# Altium PCB Fast_Servo.PCBDOC (part 5 of 7)
Units mm, origin at the board's own origin, x right, y up, seen from the top; angles counter-clockwise.
Board outline 162.48 x 100 mm, 4 copper layers (Top, GP1(GND), L3, Bot), stack 1.648 mm thick; 621 components, 389 nets, 1909 pads, 971 vias.
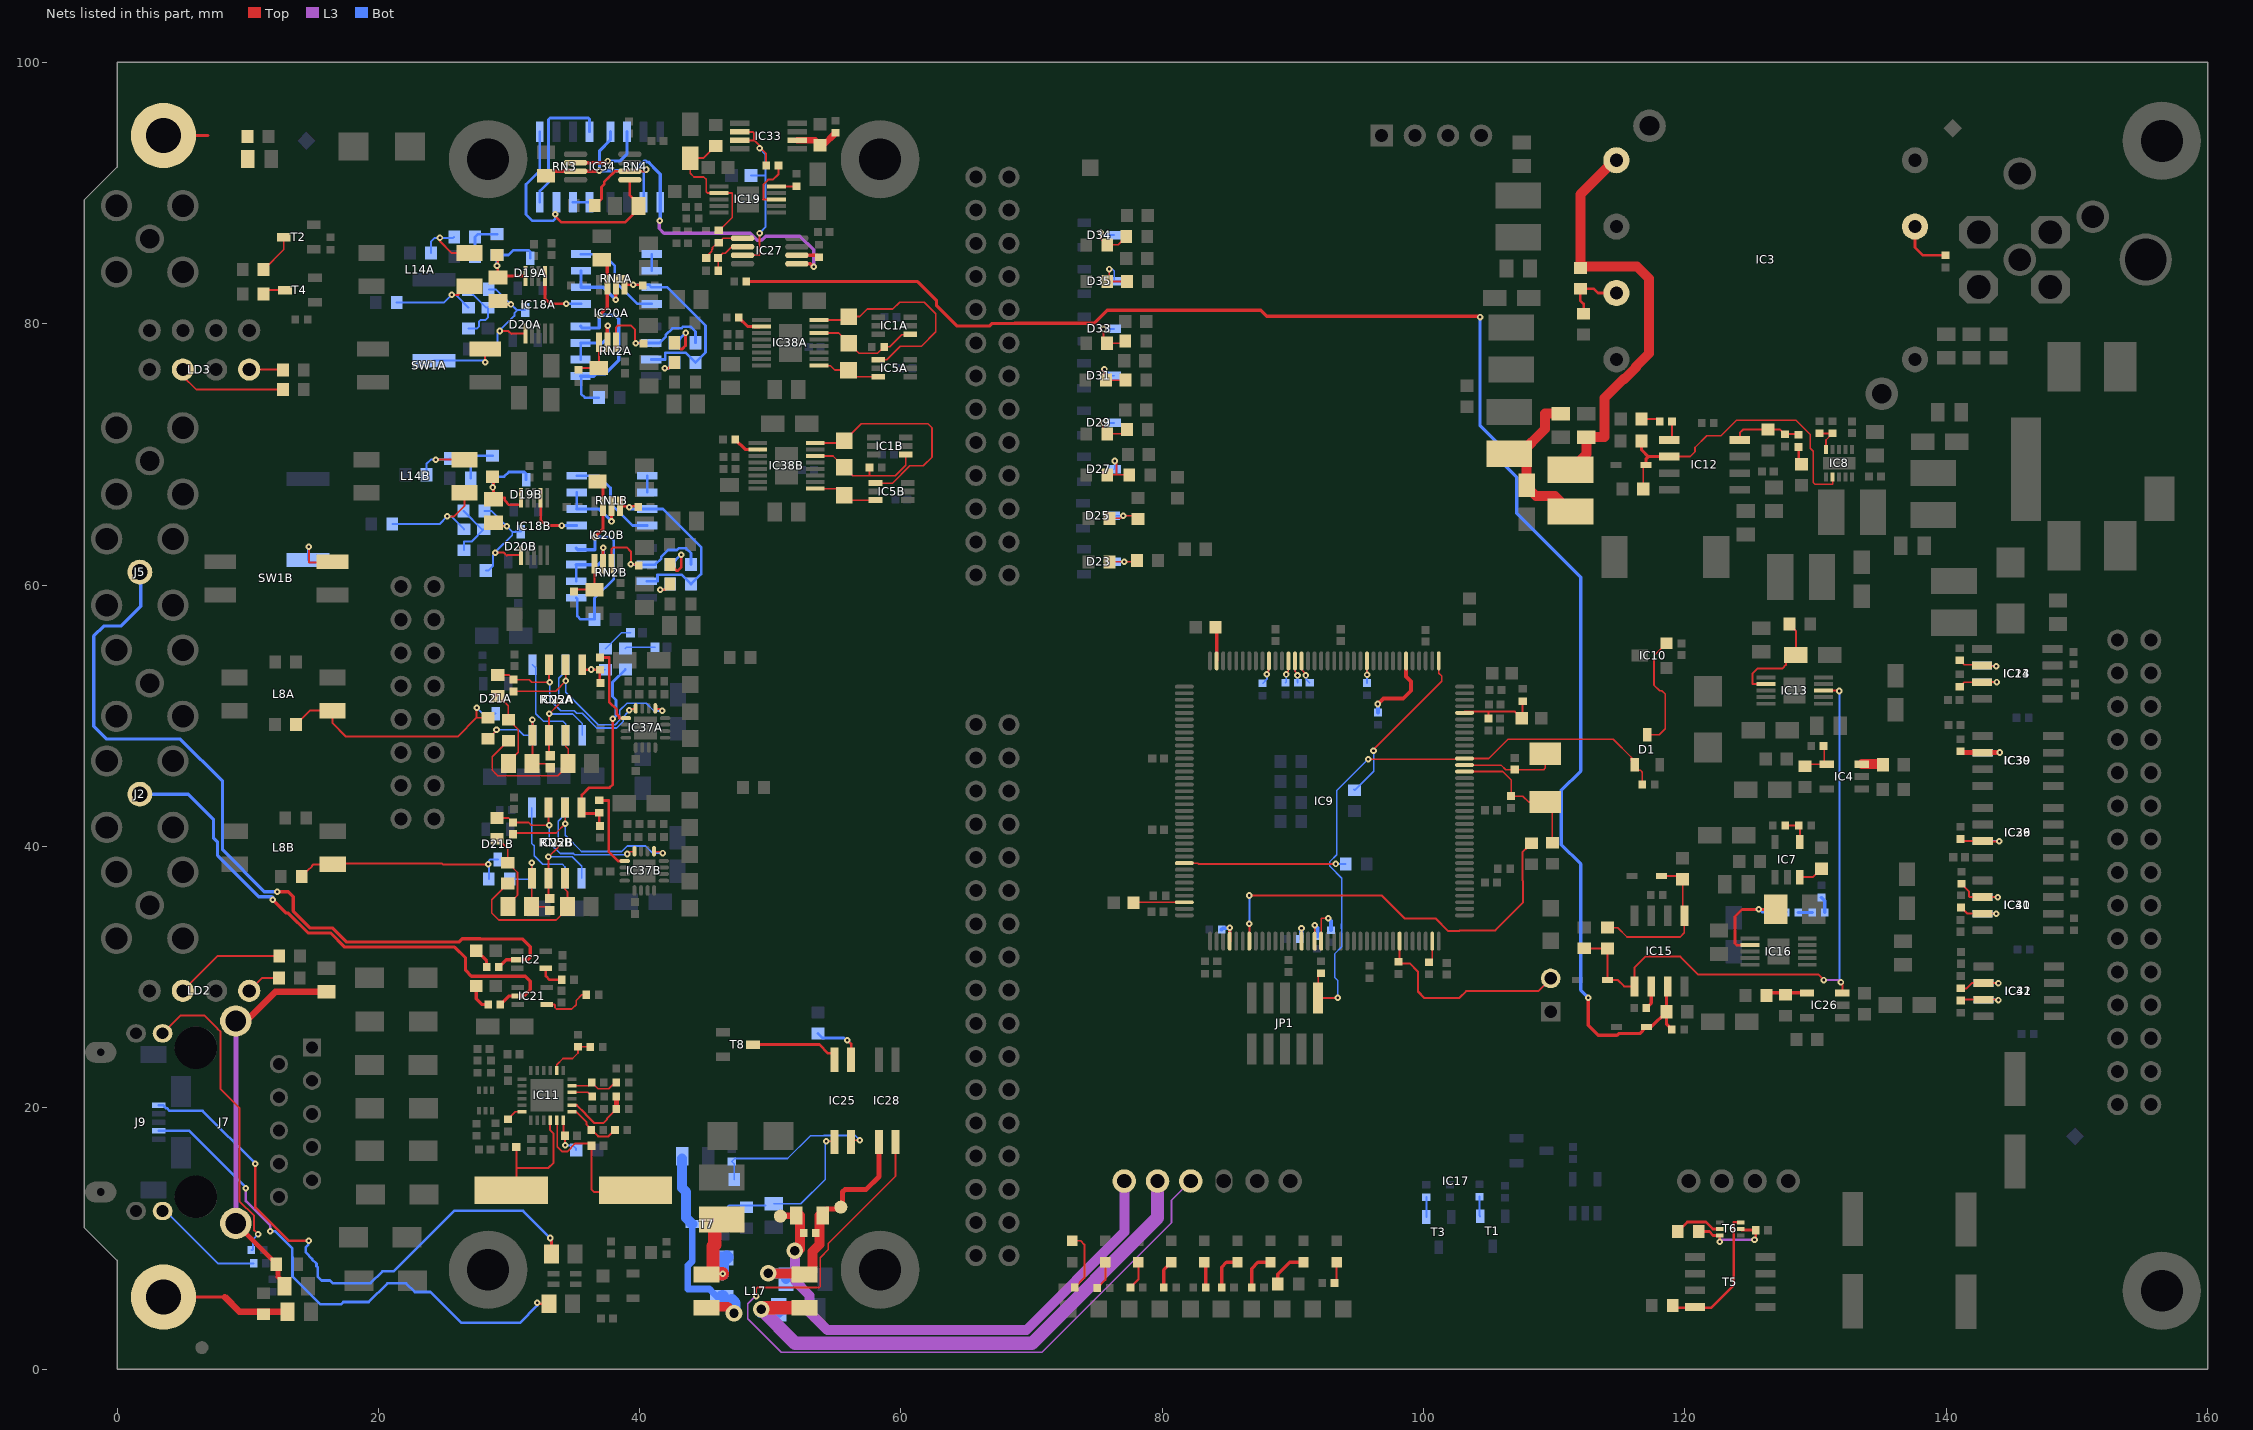
[diagram p7: the nets of this part, all layers, seen from the top]

## Via types
v1: diameter 0.5, hole 0.2, Top to Bot, tented both sides, 767 vias
v2: diameter 0.7, hole 0.5, Top to Bot, tented both sides, 74 vias
v3: diameter 0.6, hole 0.3, Top to Bot, tented both sides, 42 vias
v4: diameter 0.5, hole 0.2, Top to Bot, 40 vias
v5: diameter 1.27, hole 0.711, Top to Bot, tented both sides, 37 vias
v6: diameter 0.5, hole 0.2, Top to Bot, tented bottom, 5 vias
v7: diameter 0.66, hole 0.33, Top to Bot, tented both sides, 5 vias
v8: diameter 1, hole 0.6, Top to Bot, tented both sides, 1 vias

## Nets (pads, with @x,y where several pads share a name; then routed paths per layer and width w, separated by ;. In a path a pad name is that pad's centre, name@x,y a point inside that pad or via, vN(x,y) a via of type N, cw(c..) or ccw(c..) an arc to the next point about the centre after c; other vN are vias at no path point) (continued)
N13V0FIL: C18.2 C42.2 L12.2 L13.1 | length 13.2
  Top w0.762: L13.1@106.553,70.058 L13.1@107.399,70.058 ; L12.2@110.5,65.626 L12.2@110.5,66.052 ; C42.2@110.5,73.126 109.292,73.126 109.292,71.95 L13.1@107.399,70.058 ; L12.2@111.25,65.626 110.049,66.827 108.61,66.827 107.885,67.553 C18.2@107.885,67.643 107.885,69.572 L13.1@107.399,70.058
N13V0S: C40.2 IC3.4 L12.1 R19.1 | length 32.9
  Top w0.762: L12.1@111.25,68.826 112.454,70.03 C40.2@112.454,71.326 113.843,71.326 113.843,74.32 115.291,75.768 115.375,75.768 116.258,76.651 116.258,76.735 117.25,77.727 117.25,83.476 116.34,84.386 112,84.386 112,89.916 IC3.4@114.68,92.596
NetB3_1: B3.1 C33.2 IC28.1 L17.4 R124.1 R127.1 | length 18.5
  Top w0.381: R124.1@54.001,11.76 54.001,11.985 54.285,12.27 55.272,12.27 55.524,12.522 55.524,13.551 55.733,13.76 57.339,13.76 58.312,14.733 IC28.1@58.312,17.374
  Top w0.762: v5@49.682,7.305 52.56,7.305 L17.4@52.62,7.244 53.02,7.244 53.239,7.463 53.239,8.992 53.772,9.525 R124.1@53.772,11.76
  Bot w0.762: v5@50.153,7.312 50.999,7.312 51.193,7.118 C33.2@51.193,6.891
  other v5: 49.835,7.332
NetB4_1: B4.1 IC17.1 R124.2 R127.2 | length 40.9
  Top w0.508: B4.1@50.775,11.709 50.8,11.735 51.975,11.735 R124.2@52.001,11.76
  Top w0.762: v5@52.057,8.986 52.255,9.185 R124.2@52.255,11.76
  L3 w0.762: v5(51.873,9.068) 51.873,6.775 53.008,5.639 53.008,4.348 54.359,2.997 69.607,2.997 77.094,10.484 IC17.1@77.094,14.391
NetC1A_1: C1A.1 IC22A.2 RN5A.3 RN5A.5 | length 11.3
  Top w0.127: C1A.1@33.152,46.94 33.067,47.025 v1(33.067,50.141) 33.812,50.887 v1(33.812,51.165)
  Bot w0.127: v1(33.067,50.141) 34.877,50.141 35.607,49.412 RN5A.5@35.607,48.51 ; v1(33.812,51.165) 33.812,52.87 34.337,53.395 RN5A.3@34.337,53.91
NetC1A_2: C1A.2 C120A.2 IC22A.1 R2A.1 RN5A.8 | length 10
  Top w0.127: R2A.1@28.392,48.25 29.045,48.903 v1(29.045,48.938) ; v1(31.797,49.695) 31.797,46.38 C120A.2@31.752,46.335 32.857,46.335 C1A.2@33.152,46.04
  Bot w0.127: v1(29.045,48.938) 30.702,48.938 31.13,48.51 RN5A.8@31.797,48.51 v1(31.797,49.695)
NetC1B_1: C1B.1 IC22B.2 RN5B.3 RN5B.5 | length 11.3
  Top w0.127: C1B.1@33.107,36.002 33.022,36.087 IC22B.2@33.022,37.572 v1(33.022,39.204) 33.767,39.949 v1(33.767,40.227)
  Bot w0.127: v1(33.022,39.204) 34.832,39.204 35.562,38.474 RN5B.5@35.562,37.572 ; v1(33.767,40.227) 33.767,41.932 34.292,42.457 RN5B.3@34.292,42.972
NetC1B_2: C1B.2 C120B.2 IC22B.1 R2B.1 RN5B.8 | length 7.8
  Top w0.127: v1(31.752,38.757) IC22B.1@31.752,37.572 31.752,35.442 C120B.2@31.707,35.397 32.812,35.397 C1B.2@33.107,35.102
  Bot w0.127: R2B.1@30.057,37.5 31.68,37.5 RN5B.8@31.752,37.572 v1(31.752,38.757)
NetC2A_1: C2A.1 IC22A.6 IC37A.13 | length 16.8
  Top w0.127: C2A.1@30.353,51.87 30.368,51.885 33.57,51.885 v1(34.35,52.665) 34.35,53.897 IC22A.6@34.337,53.91 ; IC37A.13@41.198,50.52 41.602,50.52 41.723,50.399 v1(41.723,50.371)
  Bot w0.127: v1(34.35,52.665) 34.35,51.803 36.833,49.321 38.132,49.321 38.483,49.671 38.483,50.428 39.025,50.97 40.494,50.97 41.093,50.371 v1(41.723,50.371)
NetC2A_2: C2A.2 IC22A.7 IC37A.16 R9A.1 | length 15.2
  Top w0.127: R9A.1@29.142,53.12 30.003,53.12 C2A.2@30.353,52.77 31.545,52.77 31.745,52.57 v1(33.122,52.57) ; v1@33.067,52.625 IC22A.7@33.067,53.91 ; v1(39.2,50.42) 39.3,50.52 IC37A.16@39.698,50.52
  Bot w0.127: v1(33.122,52.57) 33.122,51.232 33.958,50.395 34.982,50.395 35.183,50.195 35.599,50.195 36.728,49.067 38.238,49.067 38.737,49.566 38.737,49.912 39.128,50.303 39.098,50.334 39.184,50.42 v1(39.2,50.42)
NetC2B_1: C2B.1 IC22B.6 IC37B.13 | length 15.6
  Top w0.127: C2B.1@30.308,40.932 30.402,41.026 33.604,41.026 v1(34.305,41.727) 34.305,42.959 IC22B.6@34.292,42.972 ; IC37B.13@41.153,39.582 41.557,39.582 41.678,39.461 41.758,39.541 v1(41.758,39.497)
  Bot w0.127: v1(34.305,41.727) 34.305,40.866 35.551,39.619 38.641,39.619 39.053,40.032 40.449,40.032 41.048,39.433 41.112,39.497 v1(41.758,39.497)
NetC2B_2: C2B.2 IC22B.7 IC37B.16 R9B.1 | length 13.9
  Top w0.127: R9B.1@29.097,42.182 29.958,42.182 C2B.2@30.308,41.832 31.5,41.832 31.7,41.632 v1(33.077,41.632) ; v1@33.022,41.687 IC22B.7@33.022,42.972 ; v1(39.065,39.421) 39.226,39.582 IC37B.16@39.653,39.582
  Bot w0.127: v1(33.077,41.632) 33.077,40.294 33.914,39.458 34.938,39.458 35.03,39.365 39.084,39.365 39.065,39.384 v1(39.065,39.421)
NetC3A_1: C3A.1 IC22A.5 R153A.2 R172A.2 | length 3.8
  Top w0.203: IC22A.5@35.607,53.91 35.607,53.52 R153A.2@36.952,53.52 36.952,52.57 C3A.1@37.002,52.52
  Bot w0.127: v1(36.297,53.543) 36.309,53.531 R172A.2@37.38,53.531
NetC3B_1: C3B.1 IC22B.5 R153B.2 R172B.2 | length 15.9
  Top w0.203: C3B.1@36.957,41.582 36.907,41.632 R153B.2@36.907,42.582 36.849,42.524 35.591,42.524 35.562,42.552 IC22B.5@35.562,42.972 35.575,42.984 35.575,43.933 36.143,44.501 37.704,44.501 37.95,44.747 v1(37.95,49.761)
  Bot w0.203: v1(37.95,49.761) 38.191,50.002 38.191,51.211 37.927,51.475 37.927,52.567 R172B.2@38.908,53.548
NetC5_2: C5.2 R69.1 | length 1.6
  Top w0.254: C5.2@27.497,32.023 28.283,31.237 R69.1@28.283,30.76
NetC10_1: C10.1 R3.2 ST2.1 | length 3.4
  Top w0.203: ST2.1@3.556,94.412 6.963,94.412
NetC11_1: C11.1 R4.2 ST2.0 | length 10.1
  Top w0.203: ST2.0@3.556,5.512 8.255,5.512 8.438,5.512
  Top w0.508: 8.255,5.512 9.373,4.394 C11.1@13.045,4.394
NetC14_2: C14.2 C31.1 IC9.32 R95.2 | length 6.6
  Top w0.152: IC9.32@103.144,50.237 IC9.32@103.134,50.227 103.134,50.313 104.95,50.313 ; C31.1@104.959,49.8 104.959,50.304 104.95,50.313 ; R95.2@107.585,51.125 107.585,49.885 C14.2@107.5,49.8 106.987,50.313 104.95,50.313
NetC21_2: C21.2 IC9.23 Q1.2 R179.2 | length 11.2
  Top w0.127: IC9.23@103.134,45.727 103.138,45.731 106.059,45.731 106.699,45.091 C21.2@106.699,43.85 107.585,43.85 108.035,43.4 Q1.2@109.314,43.4 109.855,42.859 R179.2@109.855,40.284
NetC23_2: C23.2 IC9.24 Q1.1 | length 7.5
  Top w0.127: IC9.24@103.134,46.227 105.923,46.227 106.275,45.874 C23.2@106.974,45.874 109.19,45.874 109.314,45.999 Q1.1@109.314,47.1
NetC24_1: C24.1 IC9.106 | length 3.9
  Top w0.127: C24.1@77.798,35.684 77.841,35.726 IC9.106@81.684,35.727
NetC25_1: C25.1 IC9.71 | length 2.6
  Top w0.254: C25.1@84.071,56.784 84.159,56.696 IC9.71@84.159,54.202
NetC47_1: C47.1 IC7.3 | length 1.9
  Top w0.152: IC7.3@128.792,37.645 129.791,37.645 C47.1@130.442,38.296
NetC66_2: C66.2 D5.2 IC15.5 R52.1 | length 12.2
  Top w0.127: R52.1@114.075,33.789 114.851,33.789 115.569,33.072 119.635,33.072 119.959,33.396 IC15.5@119.959,34.689 119.825,34.823 C66.2@119.825,37.489 119.58,37.734 D5.2@118.22,37.734
NetC68_2: C68.2 D2.2 IC15.3 R22.2 R48.2 | length 127.9
  Top w0.254: R22.2@48.171,83.236 61.268,83.236 62.723,81.781 62.723,81.382 64.273,79.832 66.804,79.832 66.997,80.026 68.706,80.026 68.716,80.035 74.786,80.035 75.776,81.026 87.528,81.026 87.986,80.569 104.267,80.569 v1(104.318,80.518) ; v1(112.598,28.423) 112.598,26.324 113.37,25.552 114.801,25.552 114.929,25.68 116.542,25.68 D2.2@117.05,26.188 117.431,26.188 C68.2@118.59,27.348 ; IC15.3@118.689,29.289 118.59,29.19 C68.2@118.59,27.348 ; R48.2@119.005,25.982 118.59,26.397 C68.2@118.59,27.348
  Bot w0.254: v1(104.318,80.518) 104.318,72.205 105.86,70.663 105.86,69.501 107.117,68.243 107.117,65.503 112.014,60.606 112.014,45.771 110.541,44.298 110.541,40.132 112.014,38.659 112.014,29.007 v1(112.598,28.423)
NetC69_2: C69.2 D4.2 IC8.7 IC12.6 R56.1 | length 24.1
  Top w0.127: C69.2@116.821,67.353 116.821,69.009 D4.2@117.015,69.203 ; IC12.6@118.799,69.838 120.41,69.838 120.768,70.197 120.768,70.535 121.658,71.425 122.758,71.425 123.952,72.619 128.495,72.619 129.591,71.523 129.591,70.472 129.819,70.244 129.819,67.858 129.951,67.726 131.3,67.726 IC8.7@131.3,68.278
  Top w0.254: R56.1@116.675,71.043 116.675,70.372 117.209,69.838 ; D4.2@117.015,69.203 117.015,69.644 117.209,69.838 ; IC12.6@118.799,69.838 117.209,69.838
NetC75_2: C75.2 IC27.5 IC34.3 RN4.1 RN4.5 | length 33.3
  Top w0.254: C75.2@32.834,91.336 33.175,91.676 IC34.3@35.096,91.676 36.88,91.676 v1(36.921,91.717) ; IC27.5@51.318,84.509 51.408,84.6 IC27.5@52.03,84.6 52.037,84.593 53.048,84.593 53.262,84.379 v1(53.319,84.379)
  L3 w0.254: v1(41.529,87.884) 41.507,87.862 41.507,87.294 41.862,86.939 48.467,86.939 49,86.406 49.28,86.406 49.314,86.44 49.383,86.44 49.653,86.71 52.265,86.71 53.319,85.656 v1(53.319,84.379)
  Bot w0.254: RN4.5@37.766,94.701 37.766,94.067 36.921,93.222 v1(36.921,91.717) 39.61,91.717 40.344,92.452 40.479,92.452 40.546,92.385 40.641,92.385 40.91,92.116 41.144,91.882 41.144,91.879 41.576,91.447 RN4.1@41.576,89.301 41.576,87.998 41.529,87.951 v1(41.529,87.884)
NetC76_2: C76.2 IC34.5 RN3.3 RN3.5 | length 19.3
  Top w0.203: v1(33.528,88.392) 33.528,88.251 33.994,87.785 38.902,87.785 39.911,88.794 C76.2@39.911,89.015 39.911,89.171 39.246,89.836 IC34.5@39.246,91.026
  Bot w0.203: RN3.5@32.357,94.701 32.357,91.722 31.304,90.67 31.304,88.376 31.797,87.884 33.382,87.884 33.528,88.03 v1(33.528,88.392)
NetC82_2: C82.2 IC11.4 Q2.2 | length 9.9
  Top w0.152: C82.2@30.556,17 30.556,15.392 ; Q2.2@30.681,13.551 30.556,13.676 30.556,15.392 ; IC11.4@33.155,19.045 33.155,18.28 33.414,18.021 33.414,15.805 33.001,15.392 30.556,15.392
NetC83_2: C83.2 C87.2 IC11.6 | length 3.1
  Top w0.152: IC11.6@34.155,19.045 34.155,17.998 C83.2@34.297,17.856 v1(34.297,17.127)
  L3 w0.152: v1@34.265,17.094 v1(34.297,17.127)
  Bot w0.152: v1(34.297,17.127) 34.867,17.127 35.141,16.853 C87.2@35.141,16.764
NetC91_2: C91.2 IC11.5 Q2.1 | length 12.6
  Top w0.152: IC11.5@33.655,19.045 33.693,19.008 33.693,17.025 34.077,16.641 34.452,16.641 35.083,17.272 36.32,17.272 C91.2@36.32,17.094 36.32,13.741 36.511,13.551 Q2.1@40.181,13.551
NetC94_1: C94.1 R68.2 | length 1.4
  Top w0.203: C94.1@128.589,69.228 128.701,69.34 R68.2@128.701,70.573
NetC95_2: C95.2 R104.1 | length 1.5
  Top w0.152: C95.2@116.675,72.703 117.876,72.703 R104.1@118.071,72.508
NetC102_1: C102.1 C103.1 J7.S1 J7.S2 R135.2 | length 29.8
  Top w0.381: J7.S2@9.09,11.15 12.332,7.909 12.332,7.063 C103.1@13.045,6.35
  Top w0.508: J7.S1@9.09,26.64 9.887,26.64 12.127,28.88 C102.1@16.03,28.88
  L3 w0.381: J7.S2@9.09,11.15 J7.S1@9.09,26.64
NetC104_1: C104.1 IC27.1 R158.1 | length 3.6
  Top w0.127: C104.1@45.1,85.037 45.1,85.135 45.506,85.541 45.506,85.656 45.581,85.731 45.581,85.84 45.959,86.219 R158.1@46.052,86.219 46.383,86.55 IC27.1@47.88,86.55
NetC104_2: C104.2 IC27.2 R156.2 | length 3.2
  Top w0.127: R156.2@46.02,84.06 46.02,85.017 C104.2@46,85.037 46.352,85.388 46.544,85.388 47.055,85.9 IC27.2@47.88,85.9
NetC105_2: C105.2 IC17.2 L17.3 | length 43
  Top w1.016: v5@49.359,4.704 L17.3@52.62,4.704
  L3 w1.016: v5@49.301,4.57 51.89,1.981 70.036,1.981 79.634,11.579 IC17.2@79.634,14.391
  Bot w1.016: v5(49.299,4.572) 49.299,4.42 50.579,4.42 50.646,4.487 C105.2@50.646,4.547
NetC106A_2: C106A.2 IC22A.3 R11A.2 | length 11.5
  Top w0.127: R11A.2@29.952,48.095 28.717,46.86 28.717,45.846 29.144,45.419 33.738,45.419 34.465,46.146 34.527,46.146 C106A.2@34.527,46.335 34.527,47.463 34.337,47.653 IC22A.3@34.337,48.51
NetC106B_2: C106B.2 IC22B.3 R11B.2 | length 11.6
  Top w0.127: R11B.2@29.907,37.157 28.673,35.922 28.673,34.908 29.206,34.375 33.613,34.375 34.482,35.244 C106B.2@34.482,35.397 34.482,36.525 34.292,36.715 IC22B.3@34.292,37.572
NetC110A_2: C110A.2 C111A.2 D19A.3 IC18A.10 R81A.2 | length 7.8
  Top w0.203: C110A.2@29.081,85.264 29.151,85.194 C111A.2@29.151,83.544 29.266,83.659 IC18A.10@31.261,83.659
  Bot w0.203: R81A.2@29.081,85.264 29.963,85.264 30.321,85.622 31.524,85.622 31.639,85.508 D19A.3@31.639,85.024 ; v1(29.081,84.439) R81A.2@29.081,85.094
NetC110B_2: C110B.2 C111B.2 D19B.3 IC18B.10 R81B.2 | length 8.7
  Top w0.203: C110B.2@28.747,68.299 28.817,68.229 C111B.2@28.817,66.579 28.932,66.695 29.678,66.695 29.678,66.485 30.017,66.146 30.927,66.146 IC18B.10@30.927,66.695
  Bot w0.203: v1(28.747,67.474) R81B.2@28.747,68.129 ; R81B.2@28.747,68.299 29.628,68.299 29.986,68.658 31.19,68.658 31.304,68.543 D19B.3@31.304,68.059
NetC111A_1: C111A.1 C124A.2 D20A.3 IC18A.1 R88A.2 | length 10.6
  Top w0.152: C111A.1@29.151,81.744 29.415,81.481 v1(30.151,81.481) ; v1(29.29,79.449) 29.953,79.449 30.175,79.227 30.207,79.259 IC18A.1@31.261,79.259
  Bot w0.152: R88A.2@28.451,82.644 28.988,82.644 v1(30.151,81.481) 30.573,81.059 30.67,81.059 ; C124A.2@28.566,78.074 28.761,78.074 29.105,78.417 29.105,79.263 v1(29.29,79.449) 29.29,79.502 30.404,80.615 30.404,80.793 30.67,81.059 ; D20A.3@31.243,81.059 30.67,81.059
NetC111B_1: C111B.1 C124B.2 D20B.3 IC18B.1 R88B.2 | length 10.6
  Top w0.152: C111B.1@28.817,64.779 29.08,64.516 v1(29.817,64.516) ; v1(28.956,62.484) 29.619,62.484 29.841,62.262 29.873,62.295 IC18B.1@30.927,62.295
  Bot w0.152: R88B.2@28.117,65.679 28.654,65.679 v1(29.817,64.516) 30.249,64.084 ; C124B.2@28.232,61.11 28.427,61.11 28.77,61.453 28.77,62.298 v1(28.956,62.484) 28.956,62.537 30.249,63.83 30.249,64.084 ; D20B.3@30.909,64.094 30.513,64.094 30.503,64.084 30.249,64.084
NetC113A_2: C113A.2 IC20A.3 R85A.2 RN2A.1 RN2A.4 | length 18.2
  Top w0.254: v1(36.91,80.649) 37.53,81.269 IC20A.3@37.53,83.001 37.53,84.47 C113A.2@37.105,84.895
  Bot w0.203: RN2A.1@35.48,75.994 35.529,75.945 35.529,74.627 35.81,74.345 R85A.2@36.88,74.345
  Bot w0.254: RN2A.1@35.48,75.994 36.478,75.994 36.671,76.188 37.376,76.188 38.406,77.217 38.406,80.387 38.143,80.649 v1(36.91,80.649) 36.91,79.676 35.608,79.676 RN2A.4@35.48,79.804
NetC113B_2: C113B.2 IC20B.3 R85B.2 RN2B.1 RN2B.4 | length 18.2
  Top w0.254: v1(36.576,63.684) 37.195,64.304 IC20B.3@37.195,66.036 37.195,67.506 C113B.2@36.77,67.931
  Bot w0.203: RN2B.1@35.145,59.029 35.235,58.94 35.235,57.621 35.476,57.38 R85B.2@36.545,57.38 36.545,58.999 38.024,60.477 38.024,63.398 37.738,63.684 v1(36.576,63.684)
  Bot w0.254: RN2B.4@35.145,62.839 35.274,62.711 36.576,62.711 v1(36.576,63.684)
NetC114_1: C114.1 IC16.7 R29.2 | length 9.7
  Top w0.203: IC16.7@124.962,32.448 123.973,32.448 123.834,32.586 123.834,34.644 124.37,35.179 v1(125.655,35.179) C114.1@126.941,35.179 ; C114.1@127.591,34.229 C114.1@127.591,35.179
  Bot w0.203: v1(125.655,35.179) 125.695,35.179 125.923,34.951 R29.2@127.729,34.951
NetC116_2: C116.2 R6.1 | length 2.1
  Top w0.254: C116.2@27.497,29.321 27.497,28.338 27.937,27.898 R6.1@28.397,27.898
NetC118_1: C118.1 IC13.7 R25.2 | length 8.5
  Top w0.152: IC13.7@126.191,52.423 125.18,52.423 125.18,53.24 125.571,53.63 127.472,53.63 127.731,53.889 127.731,54.105 128.28,54.654 C118.1@128.495,54.654 128.495,56.508 128.406,56.598 128.366,56.598 127.992,56.971 R25.2@127.992,57.021
NetC120A_1: C120A.1 R9A.2 R11A.1 | length 6.2
  Top w0.127: R9A.2@29.142,51.52 29.192,51.52 29.952,50.76 R11A.1@29.952,49.695 30.702,48.945 30.702,47.201 29.952,46.451 C120A.1@29.952,46.335
NetC120B_1: C120B.1 R9B.2 R11B.1 | length 6.2
  Top w0.127: R9B.2@29.097,40.582 29.147,40.582 29.907,39.822 R11B.1@29.907,38.757 30.657,38.007 30.657,36.263 29.907,35.513 C120B.1@29.907,35.397
NetC131A_2: C131A.2 IC20A.5 R91A.2 | length 3.6
  Top w0.152: R91A.2@35.305,76.474 35.445,76.614 C131A.2@36.88,76.614 IC20A.5@36.88,78.601
NetC131B_2: C131B.2 IC20B.5 R91B.2 | length 3.6
  Top w0.152: R91B.2@34.971,59.51 35.11,59.649 C131B.2@36.545,59.649 IC20B.5@36.545,61.636
NetC134_1: C134.1 IC4.3 | length 1.6
  Top w0.762: IC4.3@133.542,46.296 135.114,46.296 C134.1@135.157,46.253
NetC136_2: C136.2 IC25.3 R184.2 T7.1 | length 12
  Top w0.127: v1(54.285,17.432) 54.915,17.432 IC25.3@54.915,17.374 IC25.3@54.908,17.367
  Bot w0.127: T7.1@46.337,12.043 46.516,12.043 46.753,12.28 46.753,12.459 46.816,12.522 C136.2@49.626,12.522 ; C136.2@50.254,12.652 52.341,12.652 54.193,14.503 54.193,17.171 54.214,17.192 54.214,17.36 v1(54.285,17.432)
NetC141_1: C141.1 IC19.7 R157.2 R158.2 | length 11.2
  Top w0.127: C141.1@43.873,92.68 43.873,91.53 44.163,91.24 44.915,91.24 45.087,91.068 45.087,90.108 45.18,90.015 IC19.7@46.087,90.015 47.084,90.015 47.084,88.134 46.11,87.159 R158.2@46.052,87.159
  Top w0.152: C141.1@43.873,92.68 44.88,92.68 45.812,93.612 R157.2@45.825,93.612
NetC149_2: C149.2 IC33.2 R120.2 | length 3.5
  Top w0.508: IC33.2@52.075,94.046 53.415,94.046 C149.2@53.8,93.661 54.046,93.661 R120.2@54.995,94.61
NetC153A_1: C153A.1 R172A.1 | length 2.4
  Bot w0.127: R172A.1@37.38,55.131 38.612,56.363 C153A.1@39.294,56.363
NetC153B_1: C153B.1 R172B.1 | length 2.3
  Bot w0.127: R172B.1@38.908,55.148 39.005,55.245 C153B.1@41.179,55.245
NetC156_1: C156.1 L17.2 R166.2 T7.3 | length 16.8
  Top w0.762: L17.2@45.12,4.704 45.185,4.77 46.716,4.77 v5(47.219,4.267)
  Bot w0.508: T7.3@44.037,11.093 44.037,8.277 43.688,7.928 43.688,6.134 45.339,6.134 45.636,5.836 45.636,5.818 45.957,5.497 C156.1@46.282,5.497
  Bot w0.762: R166.2@43.25,16.113 43.25,13.875 43.561,13.564 43.561,11.569 43.893,11.237 43.893,11.174 43.974,11.093 T7.3@44.037,11.093
  Bot w1.016: C156.1@46.282,5.497 C156.1@46.349,5.564 ; C156.1@47.045,5.224 47.219,5.05 v5(47.219,4.267)
NetC156_2: C156.2 L17.1 L19.2 | length 7.8
  Top w1.016: L17.1@44.72,7.244 L17.1@45.12,7.244 45.18,7.305 L17.1@45.58,7.305 ; L19.2@46.279,11.456 46.239,11.456 45.747,10.964 45.747,9.527 45.612,9.391 45.612,7.336 L17.1@45.58,7.305 ; v1(46.349,7.305) L17.1@45.58,7.305
  Bot w1.016: v1(46.349,7.305) 46.349,8.43 C156.2@46.282,8.497 46.607,8.497 C156.2@46.674,8.564
NetC167_2: C167.2 IC27.3 IC33.6 IC33.7 R145.2 | length 16.1
  Top w0.152: IC33.7@47.675,94.046 48.768,94.046 ; IC33.6@47.675,94.696 48.671,94.696 48.768,94.599 48.768,94.046 ; IC27.3@47.88,85.25 49.136,85.25 49.175,85.289 v1(49.174,86.944) ; R145.2@49.685,92.126 49.685,93.006 49.175,93.516 49.175,93.639 48.768,94.046
  Bot w0.152: C167.2@48.527,91.336 49.57,91.336 49.646,91.411 ; v1(49.174,86.944) 49.646,87.415 49.646,91.411 ; v1(49.175,93.422) 49.646,92.951 49.646,91.411
NetD1_3: D1.3 IC10.2 | length 8.9
  Top w0.127: D1.3@117.117,48.553 118.034,48.553 118.481,49.001 118.481,51.67 118.235,51.917 118.067,51.917 117.638,52.346 117.638,54.601 IC10.2@118.588,55.551
NetD6_2: D6.2 IC13.3 IC15.1 IC26.3 R18.1 R52.2 | length 49.3
  Top w0.152: R18.1@112.295,32.203 114.061,32.203 R52.2@114.075,32.189 D6.2@114.075,29.777 114.85,29.777 115.339,29.289 IC15.1@116.149,29.289 116.149,30.754 116.967,31.572 119.643,31.572 121.031,30.184 130.226,30.184 v1(130.632,29.777) ; IC13.3@130.591,51.923 131.775,51.923 v1(131.8,51.898) ; v1(131.942,29.596) 132.042,29.496 IC26.3@132.042,28.796
  L3 w0.152: v1(130.632,29.777) 131.76,29.777 v1(131.942,29.596)
  Bot w0.152: v1(131.8,51.898) 131.83,51.868 131.83,48.086 131.83,29.707 v1(131.942,29.596)
NetD21A_3: D21A.3 L8A.1 R2A.2 R66A.1 | length 19.6
  Top w0.127: 27.676,49.85 R2A.2@28.392,49.85
  Top w0.152: R66A.1@13.692,49.321 13.692,49.371 14.066,49.744 14.116,49.744 14.76,50.388 L8A.1@16.5,50.388 16.5,49.438 17.526,48.412 26.062,48.412 27.5,49.85 ; v1(27.531,50.614) 27.531,49.881 27.5,49.85 ; 27.676,49.85 27.5,49.85